# KiCad board imx8x_carrier_v2.kicad_pcb (continued)
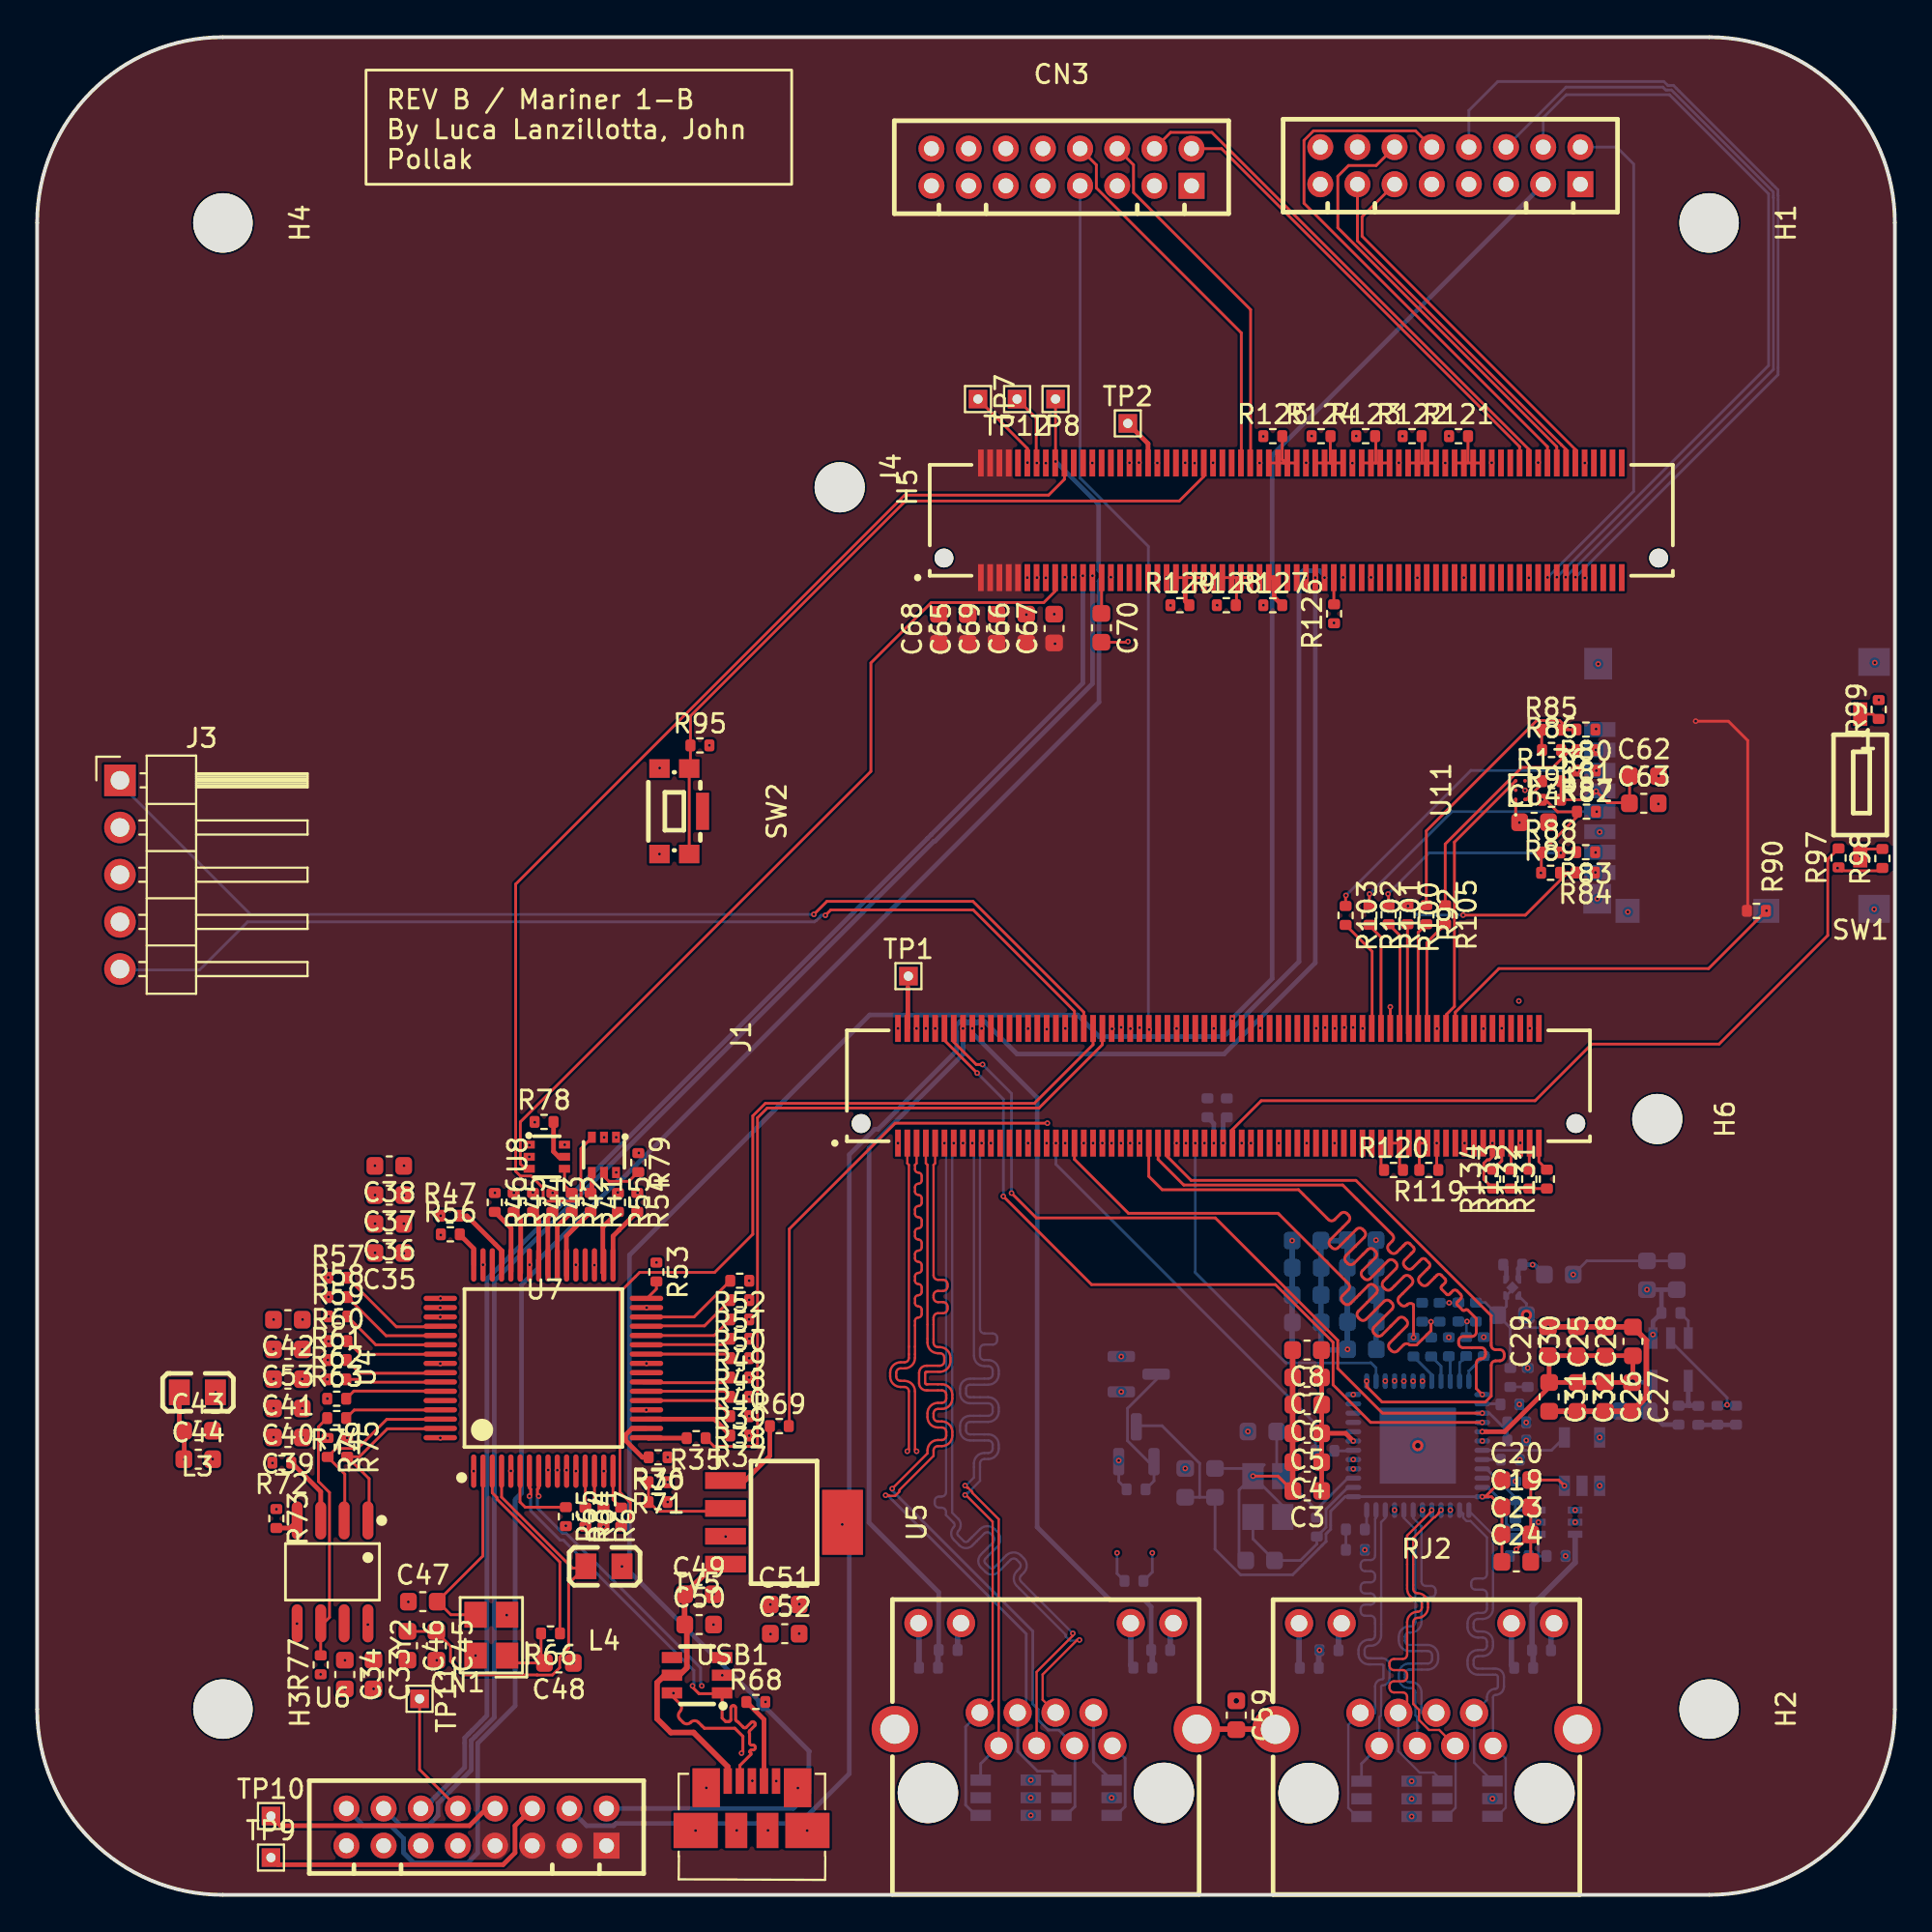
[diagram p0: board, top side]
## Footprints (pads in the part's own frame, mm; a bottom-side part is the same pattern mirrored in y, then rotated)
BGA-6_L1.5-W1.0-P0.50_BD2204GUL-E2
  round 0.2 smd: A1(-0.5,0.25) A2(0,0.25) A3(0.5,0.25) B1(-0.5,-0.25) B2(0,-0.25) B3(0.5,-0.25)
C_0603_1608Metric
  rrect 0.9x0.95 smd: 1(-0.775,0) 2(0.775,0)
CONN-TH_DF11-16DP-2DSA-08
  rect 1.4x1.4 hole 0.8: 1(7,-1)
  round 1.4 hole 0.8: 2(7,1) 3(5,-1) 4(5,1) 5(3,-1) 6(3,1) 7(1,-1) 8(1,1) 9(-1,-1) 10(-1,1) 11(-3,-1) 12(-3,1) 13(-5,-1) 14(-5,1) 15(-7,-1) 16(-7,1)
CRYSTAL-SMD_4P-L3.2-W2.5-BL
  rect 1.4x1.2 smd: 1(-1.1,-0.85) 2(1.1,-0.85) 3(1.1,0.85) 4(-1.1,0.85)
CRYSTAL-SMD_4P-L3.2-W2.5-BL-2
  rect 1.4x1.15 smd: 1(-1.1,-0.8) 2(1.1,-0.8) 3(1.1,0.8) 4(-1.1,0.8)
KEY-SMD_KMR2XXGXXX
  rect 1x1.1 smd: 1(-2.3,0.44) 2(2.3,0.44) 3(-2.3,-1.16) 4(2.3,-1.16)
  rect 2x0.7 smd: 5(0,1.16)
L0805
  rect 1.13x1.38 smd: 1(-0.97,0) 2(0.97,0)
LQFP-64_L10.0-W10.0-P0.50-LS12.0-TL
  oval 1.8x0.28 smd: 1(-5.55,3.75) 2(-5.55,3.25) 3(-5.55,2.75) 4(-5.55,2.25) 5(-5.55,1.75) 6(-5.55,1.25) 7(-5.55,0.75) 8(-5.55,0.25) 9(-5.55,-0.25) 10(-5.55,-0.75) 11(-5.55,-1.25) 12(-5.55,-1.75) 13(-5.55,-2.25) 14(-5.55,-2.75) 15(-5.55,-3.25) 16(-5.55,-3.75) 33(5.55,-3.75) 34(5.55,-3.25) 35(5.55,-2.75) 36(5.55,-2.25) 37(5.55,-1.75) 38(5.55,-1.25) 39(5.55,-0.75) 40(5.55,-0.25) 41(5.55,0.25) 42(5.55,0.75) 43(5.55,1.25) 44(5.55,1.75) 45(5.55,2.25) 46(5.55,2.75) 47(5.55,3.25) 48(5.55,3.75)
  oval 0.28x1.8 smd: 17(-3.75,-5.55) 18(-3.25,-5.55) 19(-2.75,-5.55) 20(-2.25,-5.55) 21(-1.75,-5.55) 22(-1.25,-5.55) 23(-0.75,-5.55) 24(-0.25,-5.55) 25(0.25,-5.55) 26(0.75,-5.55) 27(1.25,-5.55) 28(1.75,-5.55) 29(2.25,-5.55) 30(2.75,-5.55) 31(3.25,-5.55) 32(3.75,-5.55) 49(3.75,5.55) 50(3.25,5.55) 51(2.75,5.55) 52(2.25,5.55) 53(1.75,5.55) 54(1.25,5.55) 55(0.75,5.55) 56(0.25,5.55) 57(-0.25,5.55) 58(-0.75,5.55) 59(-1.25,5.55) 60(-1.75,5.55) 61(-2.25,5.55) 62(-2.75,5.55) 63(-3.25,5.55) 64(-3.75,5.55)
MICRO-USB-SMD_47346-0001
  rect 0.45x1.38 smd: 1(-1.28,1.33) 2(-0.63,1.33) 3(0.02,1.33) 4(0.67,1.33) 5(1.32,1.33)
  rect 2.38x1.9 smd: 6(-3.01,-1.33) 6(3.01,-1.33)
  rect 1.48x2.1 smd: 6(-2.44,0.97) 6(2.48,0.97)
  rect 1.18x1.9 smd: 6(-0.82,-1.33) 6(0.86,-1.33)
MountingHole_2.7mm_M2.5
  round 2.7 hole 2.7 unplated: (0,0)
MountingHole_3.2mm_M3
  round 3.2 hole 3.2 unplated: (0,0)
PinHeader_1x05_P2.54mm_Horizontal
  rect 1.7x1.7 hole 1: 1(0,0)
  oval 1.7x1.7 hole 1: 2(0,-2.54) 3(0,-5.08) 4(0,-7.62) 5(0,-10.16)
R_0402_1005Metric
  rrect 0.54x0.64 smd: 1(-0.51,0) 2(0.51,0)
RJ45-TH_RJHSE5384
  round 3.25 hole 3.25: (-6.35,-5.84) (6.35,-5.84)
  round 1.52 hole 0.89: 1(3.58,-3.3) 2(2.56,-1.52) 3(1.54,-3.3) 4(0.52,-1.52) 5(-0.5,-3.3) 6(-1.52,-1.52) 7(-2.54,-3.3) 8(-3.56,-1.52) 9(6.86,3.3) 10(4.57,3.3) 11(-4.57,3.3) 12(-6.86,3.3)
  round 2.5 hole 1.57: 13(-8.13,-2.41) 14(8.13,-2.41)
SAMTEC_BTH-070-02-L-D-A
  round 1.016 hole 1.016 unplated: (-1.986,-4.946) (36.486,-4.946)
  rect 0.305x1.45 smd: 01(34.5,0.172) 02(34.5,-6) 03(34,0.172) 04(34,-6) 05(33.5,0.172) 06(33.5,-6) 07(33,0.172) 08(33,-6) 09(32.5,0.172) 10(32.5,-6) 11(32,0.172) 12(32,-6) 13(31.5,0.172) 14(31.5,-6) 15(31,0.172) 16(31,-6) 17(30.5,0.172) 18(30.5,-6) 19(30,0.172) 20(30,-6) 21(29.5,0.172) 22(29.5,-6) 23(29,0.172) 24(29,-6) 25(28.5,0.172) 26(28.5,-6) 27(28,0.172) 28(28,-6) 29(27.5,0.172) 30(27.5,-6) 31(27,0.172) 32(27,-6) 33(26.5,0.172) 34(26.5,-6) 35(26,0.172) 36(26,-6) 37(25.5,0.172) 38(25.5,-6) 39(25,0.172) 40(25,-6) 41(24.5,0.172) 42(24.5,-6) 43(24,0.172) 44(24,-6) 45(23.5,0.172) 46(23.5,-6) 47(23,0.172) 48(23,-6) 49(22.5,0.172) 50(22.5,-6) 51(22,0.172) 52(22,-6) 53(21.5,0.172) 54(21.5,-6) 55(21,0.172) 56(21,-6) 57(20.5,0.172) 58(20.5,-6) 59(20,0.172) 60(20,-6) 61(19.5,0.172) 62(19.5,-6) 63(19,0.172) 64(19,-6) 65(18.5,0.172) 66(18.5,-6) 67(18,0.172) 68(18,-6) 69(17.5,0.172) 70(17.5,-6) 71(17,0.172) 72(17,-6) 73(16.5,0.172) 74(16.5,-6) 75(16,0.172) 76(16,-6) 77(15.5,0.172) 78(15.5,-6) 79(15,0.172) 80(15,-6) 81(14.5,0.172) 82(14.5,-6) 83(14,0.172) 84(14,-6) 85(13.5,0.172) 86(13.5,-6) 87(13,0.172) 88(13,-6) 89(12.5,0.172) 90(12.5,-6) 91(12,0.172) 92(12,-6) 93(11.5,0.172) 94(11.5,-6) 95(11,0.172) 96(11,-6) 97(10.5,0.172) 98(10.5,-6) 99(10,0.172) 100(10,-6) 101(9.5,0.172) 102(9.5,-6) 103(9,0.172) 104(9,-6) 105(8.5,0.172) 106(8.5,-6) 107(8,0.172) 108(8,-6) 109(7.5,0.172) 110(7.5,-6) 111(7,0.172) 112(7,-6) 113(6.5,0.172) 114(6.5,-6) 115(6,0.172) 116(6,-6) 117(5.5,0.172) 118(5.5,-6) 119(5,0.172) 120(5,-6) 121(4.5,0.172) 122(4.5,-6) 123(4,0.172) 124(4,-6) 125(3.5,0.172) 126(3.5,-6) 127(3,0.172) 128(3,-6) 129(2.5,0.172) 130(2.5,-6) 131(2,0.172) 132(2,-6) 133(1.5,0.172) 134(1.5,-6) 135(1,0.172) 136(1,-6) 137(0.5,0.172) 138(0.5,-6) 139(0,0.172) 140(0,-6)
SC-70-6_L2.0-W1.3-P0.65-LS2.1-BR
  rect 0.6x0.42 smd: 1(0.95,-0.65) 2(0.95,0) 3(0.95,0.65) 4(-0.95,0.65) 5(-0.95,0) 6(-0.95,-0.65)
SOIC-8_L4.9-W3.9-P1.27-LS6.0-BL
  oval 0.59x2.05 smd: 1(-1.91,-2.77) 2(-0.63,-2.77) 3(0.63,-2.77) 4(1.9,-2.77) 5(1.9,2.77) 6(0.63,2.77) 7(-0.63,2.77) 8(-1.91,2.77)
SOT-23
  rrect 1.475x0.6 smd: 1(-0.938,0.95) 2(-0.938,-0.95) 3(0.938,0)
SOT-23-5_L3.0-W1.7-P0.95-LS2.8-BL
  rect 0.49x1.16 smd: 1(-0.95,-1.15) 2(0,-1.15) 3(0.95,-1.15)
  rect 0.49x1.18 smd: 4(0.95,1.15) 5(-0.95,1.15)
SOT-23-5_L3.0-W1.7-P0.95-LS2.8-BR
  rect 1.1x0.6 smd: 1(1.3,-0.95) 2(1.3,0) 3(1.3,0.95) 4(-1.3,0.95) 5(-1.3,-0.95)
SOT-23-6_L2.9-W1.6-P0.95-LS2.8-BR
  rect 1.1x0.6 smd: 1(1.35,-0.95) 2(1.35,0) 3(1.35,0.95) 4(-1.35,0.95) 5(-1.35,0) 6(-1.35,-0.95)
SOT-223-5_L6.5-W3.5-P1.50-LS7.0-BL
  rect 0.9x2.2 smd: 1(-2.25,-3.15) 2(-0.75,-3.15) 3(0.75,-3.15) 4(2.25,-3.15)
  rect 3.5x2.2 smd: 5(0,3.15)
SOT-363_L2.1-W1.3-P0.65-LS2.2-BL
  rect 0.38x0.78 smd: 1(-0.65,-0.99) 2(0,-0.99) 3(0.65,-0.99) 4(0.65,0.99) 5(0,0.99) 6(-0.65,0.99)
SW-SMD_1.27-1P-TPPT
  rect 0.76x1.27 smd: 1(0,-3.81) 2(0,3.81)
TestPoint_THTPad_1.0x1.0mm_Drill0.5mm
  rect 1x1 hole 0.5: 1(0,0)
TF-SMD_5027740891
  rect 0.8x1.68 smd: 1(3.06,-7.31) 2(1.96,-7.31) 3(0.86,-7.31) 4(-0.24,-7.31) 5(-1.34,-7.31) 6(-2.44,-7.31) 7(-3.54,-7.31) 8(-4.64,-7.31)
  rect 1.29x1.4 smd: 9(-6.7,1.65)
  rect 1.29x1.3 smd: 10(-6.7,-5.82)
  rect 1.6x1.5 smd: 11(-6.05,-7.45)
  rect 1.7x1.5 smd: 12(6.61,-7.4)
  rect 1.5x1.7 smd: 13(6.7,7.45) 14(-6.59,7.45)
VQFN-48_L7.0-W7.0-P0.50-BL-EP4.1
  oval 0.28x0.85 smd: 1(-2.75,-3.47) 2(-2.25,-3.47) 3(-1.75,-3.47) 4(-1.25,-3.47) 5(-0.75,-3.47) 6(-0.25,-3.47) 7(0.25,-3.47) 8(0.75,-3.47) 9(1.25,-3.47) 10(1.75,-3.47) 11(2.25,-3.47) 12(2.75,-3.47) 25(2.75,3.47) 26(2.25,3.47) 27(1.75,3.47) 28(1.25,3.47) 29(0.75,3.47) 30(0.25,3.47) 31(-0.25,3.47) 32(-0.75,3.47) 33(-1.25,3.47) 34(-1.75,3.47) 35(-2.25,3.47) 36(-2.75,3.47)
  oval 0.85x0.28 smd: 13(3.47,-2.75) 14(3.47,-2.25) 15(3.47,-1.75) 16(3.47,-1.25) 17(3.47,-0.75) 18(3.47,-0.25) 19(3.47,0.25) 20(3.47,0.75) 21(3.47,1.25) 22(3.47,1.75) 23(3.47,2.25) 24(3.47,2.75) 37(-3.47,2.75) 38(-3.47,2.25) 39(-3.47,1.75) 40(-3.47,1.25) 41(-3.47,0.75) 42(-3.47,0.25) 43(-3.47,-0.25) 44(-3.47,-0.75) 45(-3.47,-1.25) 46(-3.47,-1.75) 47(-3.47,-2.25) 48(-3.47,-2.75)
  rect 4.1x4.1 smd: 49(0,0)
X2SON-4_L1.0-W1.0-P0.65-TL-EP
  custom 0.46x0.32 smd: 1(-0.43,0.32) 2(-0.43,-0.32) 3(0.43,-0.32) 4(0.43,0.32)
  rect 0.48x0.48 smd rot 135: 5(0,0)

## Nets
1V8_FTDI: C35.1 C36.1 C37.1 C38.1 U4.12 U4.37 U4.49 U4.64
3V3_FTDI: C33.1 C34.1 C39.1 C40.1 C41.1 C42.1 C51.1 C52.1 C53.1 L3.1 L4.1 R63.1 R67.2 R71.1 R75.1 R76.1 R77.1 U4.20 U4.31 U4.42 U4.50 U4.56 U5.3 U6.8
GND: C1.1 C2.1 C3.2 C4.2 C5.2 C6.2 C7.2 C8.2 C9.2 C10.2 C11.2 C12.2 C13.2 C14.2 C15.2 C16.2 C17.2 C18.2 C19.2 C20.2 C21.2 C22.2 C23.2 C24.2 C25.2 C26.2 C27.2 C28.2 C29.2 C30.2 C31.2 C32.2 C33.2 C34.2 C35.2 C36.2 C37.2 C38.2 C39.2 C40.2 C41.2 C42.2 C43.2 C44.2 C45.2 C46.2 C47.1 C48.1 C49.2 C50.2 C51.2 C52.2 C53.2 C54.2 C55.2 C56.2 C57.2 C58.2 C59.1 C62.2 C63.2 C64.2 C65.2 C66.2 C67.2 C68.2 C69.2 C70.2 Card1.6 Card1.10 Card1.11 Card1.12 Card1.13 Card1.14 CN1.9 CN1.11 CN1.13 CN1.15 CN2.14 CN2.15 CN2.16 CN3.14 CN3.15 CN3.16 J1.03 J1.06 J1.09 J1.12 J1.13 J1.18 J1.23 J1.24 J1.30 J1.36 J1.39 J1.40 J1.46 J1.49 J1.52 J1.58 J1.61 J1.64 J1.71 J1.74 J1.79 J1.80 J1.89 J1.90 J1.100 J1.103 J1.108 J1.111 J1.120 J1.121 J1.126 J1.131 J1.139 J1.140 J3.2 J3.3 J3.4 J4.09 J4.10 J4.19 J4.22 J4.29 J4.36 J4.39 J4.46 J4.49 J4.56 J4.59 J4.62 J4.69 J4.70 J4.79 J4.80 J4.89 J4.90 J4.95 J4.100 J4.107 J4.112 J4.115 J4.120 J4.125 J4.130 Q2.2 R12.2 R15.2 R16.2 R17.2 R20.2 R21.2 R24.2 R25.2 R36.1 R37.1 R38.1 R39.1 R40.1 R43.1 R44.1 R45.1 R46.1 R47.1 R48.1 R49.1 R50.1 R51.1 R52.1 R53.1 R54.1 R55.1 R56.1 R57.1 R58.1 R59.1 R60.1 R61.1 R62.1 R64.2 R65.2 R68.2 R70.2 R73.1 R94.2 R96.2 R99.2 R119.1 R120.1 R121.1 R122.1 R123.1 R124.1 R125.1 R126.1 R127.1 R128.1 R129.1 R131.1 R132.1 R133.1 R134.1 R137.1 R138.1 SW2.3 SW2.4 TV1.2 TV2.2 TV3.2 TV4.2 TV5.2 U1.49 U2.3 U3.2 U4.1 U4.5 U4.10 U4.11 U4.15 U4.25 U4.35 U4.47 U4.51 U5.5 U6.5 U7.2 U8.2 U9.2 U9.5 U10.2 U11.B2 USB1.5 USB1.6 Y1.2 Y1.4 Y2.2 Y2.4
GNDPWR: C59.2 RJ1.13 RJ1.14 RJ2.13 RJ2.14
VBUS_DEBUG_USB: C49.1 C50.1 TV5.5 U5.4 USB1.1
VCC_1V8_OUT: C54.1 J4.127 R11.1 R14.1 R18.1 R19.1 R22.1 R23.1 R78.1 R79.1 R114.1 TP12.1 U2.5 U3.5 U7.1 U8.1 U9.4
VCC_3V3: C65.1 C66.1 C67.1 C68.1 C69.1 CN1.1 CN1.3 CN1.5 CN1.7 J4.132 J4.133 J4.134 J4.135 J4.136 J4.137 J4.138 J4.139 J4.140 R90.1
VCC_3V3_OUT: C57.1 C58.1 C64.1 J4.129 R8.2 R26.1 R27.1 R30.1 R33.1 R72.2 R95.2 R117.1 RJ1.10 RJ1.12 RJ2.10 RJ2.12 TP7.1 U7.6 U8.6 U10.1 U11.A1
VCC_ENET_2V5: C3.1 C4.1 C5.1 C6.1 C7.1 C8.1 C25.1 C26.1 C27.1 C28.1 C29.1 C30.1 C31.1 C32.1 C56.1 Q2.1 R15.1 R116.1 U1.3 U1.9 U1.19 U1.30 U1.41 U10.5
VCC_LDO_SD1: J1.33 R85.1 R86.1 R87.1 R88.1 R89.1 R91.1
VCC_QSPI_1V8: J4.20
VCC_SCU_1V8: J4.93 R97.1 R98.1
VDD_ADC_1V8: C70.1 J4.114
VDD_ETH_1V0: C9.1 C10.1 C11.1 C12.1 C13.1 C14.1 C15.1 C16.1 C17.1 C18.1 C55.1 Q1.2 R13.1 U1.6 U1.24 U1.31 U1.42 U9.1
/Debug USB - UART/DEBUG_USB_DN: TV5.1 U4.7 USB1.2
/Debug USB - UART/DEBUG_USB_DP: TV5.6 U4.8 USB1.3
/Debug USB - UART/DEBUG_USB_ID: R68.1 USB1.4
/Debug USB - UART/FTDI_OSCI: C47.2 U4.2 Y2.3
/Debug USB - UART/FTDI_OSCO: C48.2 R66.2 Y2.1
/Debug USB - UART/M40_UART0_RX: R41.1 U8.4
/Debug USB - UART/M40_UART0_TX: R42.1 U7.4
ETH1_A_TX_N: RJ2.2 TV3.1 U1.2
ETH1_A_TX_P: RJ2.1 TV3.3 U1.1
ETH1_B_TX_N: RJ2.6 TV3.6 U1.5
ETH1_B_TX_P: RJ2.3 TV3.4 U1.4
ETH1_C_TXCLK_N: RJ2.5 TV4.3 U1.8
ETH1_C_TXCLK_P: RJ2.4 TV4.1 U1.7
ETH1_D_RXDV_N: RJ2.8 TV4.4 U1.11
ETH1_D_RXDV_P: RJ2.7 TV4.6 U1.10
ETH1_LED0: R32.1 R33.2 U3.6
ETH1_LED1: R30.2 R31.2 U3.4
LED0_LINK: R23.2 R25.1 U1.47 U3.1
LED2_ACT: R22.2 R24.1 U1.45 U3.3
SD1_SPWR: R136.1 U11.B1
X_ADMA_I2C0_SCL: CN1.2 J4.66
X_ADMA_I2C0_SDA: CN1.4 J4.68
X_ADMA_I2C3_SCL: CN3.10 J1.112
X_ADMA_I2C3_SDA: CN3.12 J1.107
X_ADMA_SPI2_CS0: CN2.1 J1.41
X_ADMA_SPI2_CS1: CN2.3 J1.67
X_ADMA_SPI2_SCK: CN2.5 J1.43
X_ADMA_SPI2_SDI: CN2.7 J1.45
X_ADMA_SPI2_SDO: CN2.9 J1.47
X_ADMA_UART0_RX: J1.97 R34.1
X_ADMA_UART0_TX: J1.95 R35.1
X_ADMA_UART2_RX: J1.99 J3.1
X_ADMA_UART2_TX: J1.101 J3.5
X_BOOT_MODE0: J1.66 R98.2 SW1.2
X_BOOT_MODE1: J1.68 R97.2
X_BOOT_MODE2: J1.70 R94.1
X_BOOT_MODE3: J1.72 R96.1
X_CONN_ENET1_REFCLK: J1.106 R7.1
X_CONN_ENET1_RX_CTL: J1.104 R5.2
X_CONN_ENET1_RX_CTRL: R14.2 R16.1
X_CONN_ENET1_RXC: J1.86 R6.2
X_CONN_ENET1_RXD0: J1.102 R1.2 R19.2 R21.1
X_CONN_ENET1_RXD1: J1.94 R2.2
X_CONN_ENET1_RXD2: J1.92 R3.2 R18.2 R20.1
X_CONN_ENET1_RXD3: J1.88 R4.2
X_CONN_ENET1_TX_CTL: J1.84 U1.37
X_CONN_ENET1_TXC: J1.78 U1.29
X_CONN_ENET1_TXD0: J1.96 U1.28
X_CONN_ENET1_TXD1: J1.98 U1.27
X_CONN_ENET1_TXD2: J1.76 U1.26
X_CONN_ENET1_TXD3: J1.82 U1.25
X_CONN_ETH0_MDC: J1.135 U1.16
X_CONN_ETH0_MDIO: J1.133 U1.17
X_CONN_ETH1_PHY_INT: R8.1 U1.44
X_CONN_USDHC1_CD_B: Card1.9 J1.19 R90.2
X_CONN_USDHC1_CLK: Card1.5 R87.2 R102.1
X_CONN_USDHC1_CMD: R82.2 R103.1
X_CONN_USDHC1_DATA0: R83.2 R88.2 R101.1
X_CONN_USDHC1_DATA1: R84.2 R89.2 R100.1
X_CONN_USDHC1_DATA2: R80.2 R85.2 R92.1
X_CONN_USDHC1_DATA3: R81.2 R86.2 R105.1
X_CONN_USDHC1_RESET_B: J1.21 U11.A3
X_CONN_USDHC1_VSELECT: J1.15
X_ETH0_A_TX_N: J1.136 RJ1.2 TV1.1
X_ETH0_A_TX_P: J1.138 RJ1.1 TV1.3
X_ETH0_B_TX_N: J1.132 RJ1.6 TV1.6
X_ETH0_B_TX_P: J1.134 RJ1.3 TV1.4
X_ETH0_C_TXCLK_N: J1.128 RJ1.5 TV2.3
X_ETH0_C_TXCLK_P: J1.130 RJ1.4 TV2.1
X_ETH0_D_RXDV_N: J1.122 RJ1.8 TV2.4
X_ETH0_D_RXDV_P: J1.124 RJ1.7 TV2.6
X_ETH0_INT: J1.137 TP1.1
X_ETH0_LED0: J1.123 R27.2 R29.1
X_ETH0_LED1: J1.125 R26.2 R28.2
X_ETH_GPIO0: J1.127 R11.2 R12.1 U1.39
X_ETH_GPIO1: J1.129 U1.40
X_LSIO_GPIO1_IO09: CN1.14 J4.116
X_LSIO_GPIO1_IO10: CN1.12 J4.118
X_LSIO_GPIO1_IO12: CN3.1 J4.126
X_LSIO_GPIO1_IO13: CN3.3 J4.128
X_LSIO_GPIO1_IO14: CN3.5 J4.122
X_LSIO_GPIO1_IO25: CN3.2 J4.23
X_LSIO_GPIO1_IO26: CN3.4 J4.21
X_LSIO_GPIO1_IO29: CN3.6 J4.81
X_LSIO_GPIO1_IO30: CN3.8 J4.83
X_LSIO_QSPI0B_DATA0: CN2.8 J4.12
X_LSIO_QSPI0B_DATA1: CN2.6 J4.14
X_LSIO_QSPI0B_DATA2: CN2.4 J4.16
X_LSIO_QSPI0B_DATA3: CN2.2 J4.18
X_LSIO_QSPI0B_DQS: CN2.10 J4.17
X_LSIO_QSPI0B_SCLK: CN2.12 J4.15
X_LSIO_QSPIOB_SS0_B: CN2.11 J4.11
X_LSIO_QSPIOB_SS1_B: CN2.13 J4.13
X_LSO_GPIO1_IO17: CN3.7 J1.85
X_LSO_GPIO1_IO18: CN3.9 J1.87
X_LSO_GPIO1_IO19: CN3.11 J1.93
X_LSO_GPIO1_IO20: CN3.13 J1.91
X_M40_UART0_RX: J4.121 U8.3
X_M40_UART0_TX: J4.124 U7.3
X_PGOOD: J4.105 R69.2
X_PMIC_EWARN: J4.109
X_PMIC_INT_B: J4.117
X_PMIC_WDI: J4.119
X_POR_B_1V8: J4.101 U2.1
X_POR_B_3V3: J4.103 TP2.1
X_SCU_PMIC_ON_REQ: J4.111
X_SCU_PMIC_STANDBY: J4.113
X_SCU_WDOG0_WDOG_OUT: CN1.16 J4.123 TP8.1
~{X_nRESET_IN}: J4.91 R95.1 SW2.1 SW2.2
Net-(Card1-CD/DAT3): Card1.2 R81.1
Net-(Card1-CMD): Card1.3 R82.1
Net-(Card1-DAT0): Card1.7 R83.1
Net-(Card1-DAT1): Card1.8 R84.1
Net-(Card1-DAT2): Card1.1 R80.1
Net-(Card1-VDD): C62.1 C63.1 Card1.4 R91.2 R136.2
Net-(CN1-Pad6): CN1.6 TP9.1
Net-(CN1-Pad8): CN1.8 TP10.1
Net-(CN1-Pad10): CN1.10 TP11.1
Net-(J1-A13): J1.25 R105.2
Net-(J1-A14): J1.27 R92.2
Net-(J1-A15): J1.29 R100.2
Net-(J1-A16): J1.31 R101.2
Net-(J1-A18): J1.35 R102.2
Net-(J1-A19): J1.37 R103.2
Net-(J1-B1): J1.02 R131.2
Net-(J1-B2): J1.04 R132.2
Net-(J1-B4): J1.08 R133.2
Net-(J1-B5): J1.10 R134.2
Net-(J1-B13): J1.26 J1.28 R119.2
Net-(J1-B16): J1.32 J1.34 R120.2
Net-(J4-C16): J4.31 J4.33 J4.35 J4.37 R121.2
Net-(J4-C21): J4.41 J4.43 J4.45 J4.47 R122.2
Net-(J4-C26): J4.51 J4.53 J4.55 J4.57 R123.2
Net-(J4-C31): J4.61 J4.63 J4.65 J4.67 R124.2
Net-(J4-C36): J4.71 J4.73 J4.75 J4.77 R125.2
Net-(J4-D32): J4.64 R126.2
Net-(J4-D38): J4.76 J4.78 R127.2
Net-(J4-D41): J4.82 J4.84 J4.86 J4.88 R128.2
Net-(J4-D46): J4.92 J4.94 J4.96 J4.98 R129.2
Net-(Q1-D): C19.1 C20.1 C21.1 C22.1 C23.1 C24.1 Q1.3 U1.13 U1.48
Net-(Q1-G): Q1.1 Q2.3 R13.2
Net-(R10-Pad2): R10.2 R17.1
Net-(R99-Pad1): R99.1 SW1.1
Net-(R115-Pad1): R115.1 R137.2 R138.2
Net-(RJ1-L-): R29.2 RJ1.9
Net-(RJ1-R-): R28.1 RJ1.11
Net-(RJ2-L-): R32.2 RJ2.9
Net-(RJ2-R-): R31.1 RJ2.11
Net-(U1-CLK_OUT): R7.2 U1.18
Net-(U1-RBIAS): R10.1 U1.12
Net-(U1-RESET_N): U1.43 U2.4
Net-(U1-RX_CLK): R6.1 U1.32
Net-(U1-RX_CTRL): R5.1 U1.38
Net-(U1-RX_D0): R1.1 U1.33
Net-(U1-RX_D1): R2.1 U1.34
Net-(U1-RX_D2): R3.1 U1.35
Net-(U1-RX_D3): R4.1 U1.36
Net-(U1-X_I): C1.2 R9.1 U1.15 Y1.1
Net-(U1-X_O): C2.2 R9.2 U1.14 Y1.3
Net-(U4-ACBUS0): R48.2 U4.26
Net-(U4-ACBUS1): R49.2 U4.27
Net-(U4-ACBUS2): R50.2 U4.28
Net-(U4-ACBUS3): R51.2 U4.29
Net-(U4-ACBUS4): R52.2 U4.30
Net-(U4-ACBUS5): R53.2 U4.32
Net-(U4-ACBUS6): R54.2 U4.33
Net-(U4-ACBUS7): R55.2 U4.34
Net-(U4-ADBUS0): R34.2 U4.16
Net-(U4-ADBUS1): R35.2 U4.17
Net-(U4-ADBUS2): R36.2 U4.18
Net-(U4-ADBUS3): R37.2 U4.19
Net-(U4-ADBUS4): R38.2 U4.21
Net-(U4-ADBUS5): R39.2 U4.22
Net-(U4-ADBUS6): R40.2 U4.23
Net-(U4-BCBUS0): R56.2 U4.48
Net-(U4-BCBUS1): R57.2 U4.52
Net-(U4-BCBUS2): R58.2 U4.53
Net-(U4-BCBUS3): R59.2 U4.54
Net-(U4-BCBUS4): R60.2 U4.55
Net-(U4-BCBUS5): R61.2 U4.57
Net-(U4-BCBUS6): R62.2 U4.58
Net-(U4-BCBUS7): R63.2 U4.59
Net-(U4-BDBUS0): R41.2 U4.38
Net-(U4-BDBUS1): R42.2 U4.39
Net-(U4-BDBUS2): R43.2 U4.40
Net-(U4-BDBUS3): R44.2 U4.41
Net-(U4-BDBUS4): R45.2 U4.43
Net-(U4-BDBUS5): R46.2 U4.44
Net-(U4-BDBUS6): R47.2 U4.45
Net-(U4-EECLK): R76.2 U4.62 U6.2
Net-(U4-EECS): R75.2 U4.63 U6.1
Net-(U4-EEDATA): R74.1 U4.61
Net-(U4-OSCO): R66.1 U4.3
Net-(U4-REF): R65.1 U4.6
Net-(U4-TEST): R64.1 U4.13
Net-(U4-VPHY): C45.1 C46.1 L4.2 U4.4
Net-(U4-VPLL): C43.1 C44.1 L3.2 U4.9
Net-(U4-~{RESET}): R67.1 U4.14
Net-(U5-ADJ): R70.1 R71.2 U5.2
Net-(U5-EN): R69.1 U5.1
Net-(U6-DI): R72.1 U6.3
Net-(U6-DO): R73.2 U6.4
Net-(U6-ORG): R74.2 R77.2 U6.6
Net-(U7-OE): R78.2 U7.5
Net-(U8-OE): R79.2 U8.5
Net-(U9-EN): R114.2 U9.3
Net-(U10-ADJ): R115.2 R116.2 U10.4
Net-(U10-EN): R117.2 U10.3

Pads without a net: J1 01 05 07 11 14 16 17 20 22 38 42 44 48 50 51 53 54 55 56 57 59 60 62 63 65 69 73 75 77 81 83 105 109 110 113 114 115 116 117 118 119; J4 01 02 03 04 05 06 07 08 24 25 26 27 28 30 32 34 38 40 42 44 48 50 52 54 58 60 72 74 85 87 97 99 102 104 106 108 110 131; SW2 5; TV1 5; TV2 5; TV3 5; TV4 5; TV5 3 4; U1 20 21 22 23 46; U2 2; U4 24 36 46 60; U6 7; U11 A2 B3

## Via types
v1: diameter 0.3, hole 0.15, SIG1 to SIG3, 367 vias
v2: diameter 0.6, hole 0.3, SIG1 to SIG3, 4 vias

## Routing (per net, layer and track width the routed paths; a pad name or vN(x,y) marks a point on that pad's centre or on a via; arc(x,y) is an arc through that point)
1V8_FTDI: length 34.6
  PWR w0.3: v1(19.74,34.54) 20.27,35.06 27.82,35.06 28.97,33.92 ; 21.72,32.12 19.74,34.1 19.74,34.53 19.75,34.54 v1(19.75,39.25) ; v1(21.7,24.6) 27.69,24.6 29,23.29 v1(29,22.81) ; v1(21.71,32.11) 21.54,32.11 21.22,31.8 21.22,29.75 22.18,28.8 22.18,25.06 21.7,24.59
  vias: v1(19.75,37.66) v1(19.74,36.13) v1(29,33.92)
3V3_FTDI: length 94.3
  PWR w0.3: v1(15.62,26.71) 15.1,26.19 14.26,26.19 ; 15.62,26.72 17.5,28.6 v1(21.7,28.6) 21.22,28.12 21.22,24.4 25.28,20.34 29.97,20.34 30.5,19.82 ; 31.54,19.82 34.42,22.69 34.42,24.47 32.79,26.1 33.28,26.58 33.28,31.13 32.81,31.6 28.83,31.6 v1(26.51,33.92) 24.19,31.6 21.67,31.6 ; 31.54,19.82 v1(30.49,19.82) ; 31.54,19.82 31.54,17.74 v1(31.48,17.68) ; 16.69,24.59 15.65,24.59 15.64,24.6 14.29,24.6 v1(14.29,30.97) ; v1(16.69,24.6) 16.69,15.66 v1(17.8,14.55) ; v1(15.26,11.87) 15.84,11.87 16.58,12.61 18.1,12.61 18.11,12.62 18.11,14.23 17.83,14.51 ; v1(33.94,22.22) 36.87,19.29 37.08,19.29 39.48,16.89 39.48,14.05 39.49,14.04 ; v1(9.61,27.05) 13.57,27.05 14.27,27.75
  vias: v1(14.27,29.36) v1(14.27,27.77) v1(14.27,26.19) v1(14.28,24.62) v1(15.64,24.58) v1(16.57,12.63) v1(18.11,12.64) v1(21.7,31.6) v1(32.79,26.11) v1(32.81,31.61) v1(37.06,19.29) v1(39.47,15.63) v1(39.48,14.04)
GND: length 87.1
  SIG1 w0.15: C70.2 58.68,67.43 v1(58.72,67.47) ; v1(79.62,18.6) 80.22,19.2 80.22,19.22 C23.2 ; v1(78.34,40.47) 78.34,39.74 78.17,39.57 78.06,39.57 77.87,39.38 77.87,38.51 R134.1 R131.1 ; v1(82.21,22.02) 81.9,22.33 C20.2 C23.2 ; v1(75.34,40.47) 75.34,39.1 R119.1 ; C3.2 66.79,22.54 v1(65.45,22.54) ; R120.1 72.34,39.18 v1(72.34,40.47) ; C24.2 C23.2
  SIG1 w0.3: C8.2 67.58,21.75 C3.2 ; C31.2 85.84,26.03 C27.2 86.63,26.8 86.63,29.84 C28.2 85.89,30.58 v1(81.33,30.58)
  SIG3 w0.15: 90.97,26.33 R138.1 ; 90.97,26.33 v1(90.97,26.38) 90.97,26.76 87.93,29.8 U10.2 ; 90.97,26.33 R137.1 ; R16.2 79.3,30.53 ; 79.3,30.53 C55.2 ; 79.3,30.53 81.28,30.53 v1(81.33,30.58) ; C55.2 77.95,31.88 R20.2 ; C55.2 79.09,31.68 U9.2 79.41,32.58 U9.5 ; C57.2 C58.2 83.42,34.13 v1(82.68,33.39) ; v1(65.45,22.54) 67.05,20.94 Y1.2 ; v1(65.45,22.54) 65.04,22.95 C21.2 ; v1(65.45,22.54) 64.7,21.79 64.7,18.36 C2.1 ; v1(65.45,22.54) 66.06,23.15 ; v1(79.62,18.6) 79.27,18.25 R25.2 ; v1(58.13,18.41) 58.13,17.3 R15.2
  SIG3 w0.3: v1(72.07,35.24) 72.07,29.38 C15.2 ; v1(67.55,35.22) 67.55,29.35 C16.2
  vias: v1(9.45,24.97) v1(9.45,23.46) v1(12.73,30.97) v1(12.72,29.38) v1(12.73,27.77) v1(12.73,26.19) v1(12.73,24.63) v1(12.88,20.76) v1(13.99,14.6) v1(15.67,33.24) v1(15.68,32.19) v1(15.69,31.14) v1(15.68,29.8) v1(15.65,28.79) v1(15.62,27.75) v1(16.56,11.09) v1(18.18,39.25) v1(18.19,37.67) v1(18.19,36.13) v1(18.19,34.56) v1(18.11,11.09) v1(19.98,15.77) v1(19.94,12.65) v1(21.51,12.63) v1(21.7,31.11) v1(21.72,36.56) v1(21.73,35.52) v1(23.5,22.81) v1(23.6,12.88) v1(24,33.92) v1(24.64,37.79) v1(25.28,15.06) v1(25.5,22.82) v1(25.66,37.79) v1(26.49,39.73) v1(26.69,37.81) v1(27.75,37.79) v1(28,22.86) v1(28.5,22.86) v1(28.46,19.87) v1(28.87,12.49) v1(29.51,19.82) v1(30,33.9) v1(30.5,22.81) v1(30.52,40.78) v1(31.26,37.81) v1(32.32,37.79) v1(32.8,28.61) v1(33.34,34.04) v1(33.51,60.66) v1(33.5,56.03) v1(33.94,23.56) v1(33.94,21.15) v1(35.44,3.46) v1(36.02,5.76) v1(36.41,16.19) v1(36.41,14.55) v1(36.88,11.82) v1(37.66,3.47) v1(38.33,33.06) v1(38.33,32.03) v1(38.32,30.98) v1(38.34,29.94) v1(38.33,28.89) v1(38.33,27.85) v1(38.33,26.81) v1(38.33,25.77) v1(38.33,24.72) v1(39.21,10.39) v1(39.34,3.47) v1(39.79,6.13) v1(40.95,5.75) v1(41.03,15.65) v1(41.02,14.06) v1(41.45,3.46) v1(43.34,19.94) v1(46.34,46.64) v1(46.34,40.47) v1(48.34,46.64) v1(48.55,68.91) v1(49.84,40.47) v1(50.1,68.91) v1(50.84,46.64) v1(51.34,40.47) v1(51.66,68.9) v1(53.3,70.91) v1(53.25,68.92) v1(53.34,46.63) v1(53.49,5.23) v1(54.3,77.07) v1(54.34,40.47) v1(54.75,68.94) v1(55.35,46.64) v1(55.8,70.92) v1(56.34,40.47) v1(56.8,77.08) v1(57.8,70.93) v1(57.84,5.23) v1(58.36,28.98) v1(58.8,77.09) v1(58.85,46.63) v1(58.84,40.47) v1(60.8,70.92) v1(61.01,69.41) v1(61.34,46.64) v1(61.34,40.47) v1(61.8,77.09) v1(61.8,22.95) v1(62.84,40.47) v1(63.3,77.09) v1(63.3,70.89) v1(63.34,46.64) v1(63.52,69.42) v1(65.18,24.94) v1(65.34,40.47) v1(65.8,70.88) v1(65.81,77.08) v1(65.84,46.66) v1(66,78.51) v1(66.01,69.42) v1(66.84,40.47) v1(68.3,70.9) v1(68.31,77.09) v1(68.34,40.47) v1(68.61,78.53) v1(68.85,46.65) v1(69.81,68.47) v1(69.84,40.47) v1(70.3,70.92) v1(70.8,77.07) v1(71.01,78.53) v1(71.35,46.64) v1(71.34,40.47) v1(71.47,18.57) v1(71.8,70.92) v1(73.3,77.09) v1(73.5,78.52) v1(73.84,40.47) v1(73.99,5.17) v1(74.3,70.9) v1(75.35,46.63) v1(75.8,77.08) v1(76,78.53) v1(76.8,70.91) v1(76.84,40.47) v1(77.85,46.63) v1(78.3,77.09) v1(78.34,5.18) v1(78.84,46.65) v1(79.76,48.12) v1(79.84,40.48) v1(80.09,59.46) v1(80.16,24.46) v1(80.3,70.9) v1(80.35,46.65) v1(80.8,77.1) v1(80.81,20.06) v1(81.37,57.73) v1(83.31,77.08) v1(83.31,70.89) v1(83.98,53.62) v1(84.03,66.26) v1(84.11,57.21) v1(85.63,52.91) v1(87.29,60.23) v1(87.27,58.73) v1(98.89,53.06) v1(98.92,66.33) v1(99.14,64.33) v2(64.55,10.44) v2(74.32,24.18)
GNDPWR: length 7.6
  SIG1 w0.3: 66.64,8.89 RJ2.13 ; 62.45,8.89 RJ1.14 66.65,8.92
  GND2 w1: 66.06,8.31 RJ2.13 ; 63.03,8.32 RJ1.14 ; RJ1.13 45.57,8.32 ; RJ2.14 83.52,8.31
VBUS_DEBUG_USB: length 16.5
  SIG1 w0.3: TV5.5 34.57,11.82 34.97,12.22 34.97,14.44 34.86,14.55 ; USB1.1 37.17,6.9 35.33,8.74 34.11,8.74 33.37,9.48 33.37,11.42 33.77,11.82 34.26,11.82 ; 34.85,14.53 34.85,16.18 36.47,17.8 U5.4
VCC_1V8_OUT: length 137
  SIG1 w0.15: 53.78,76.91 53.78,79.49 TP12.1
  PWR w0.15: v1(82.27,18.24) 82.27,19.54 v1(82.79,20.06) 81.78,20.06 v1(79.58,22.26) ; v1(80.24,28.36) 80.16,28.28 v1(80.16,25.43) 79.41,24.68 79.41,22.43 v1(79.58,22.26) ; v1(79.58,22.26) 81.94,24.62 v1(84.11,24.62)
  PWR w0.25: v1(80.24,28.36) 80.7,28.82 80.7,33.73 v1(80.5,33.92) 78.06,33.92 v1(76.01,31.87)
  PWR w0.3: 53.82,77.08 53.82,76.94 51.18,74.3 51.18,60.79 v1(31.17,40.78) ; 26.52,40.39 26.79,40.66 v1(26.79,41.59) 30.38,41.59 31.17,40.8 31.17,40.8 31.58,40.8 40.51,31.87 76.03,31.87
  SIG3 w0.15: R18.1 76.49,31.87 v1(76.01,31.87) R19.1
  SIG3 w0.25: C54.1 80.6,33.92 v1(80.5,33.92) R114.1 79.73,33.71 U9.4
  vias: v1(26.5,40.36) v1(32.39,39.94) v1(53.81,77.08)
VCC_3V3: length 54.8
  SIG1 w0.15: 92.09,52.91 92.08,52.92 92.08,62.14 91.04,63.18 v1(89.28,63.18)
  PWR w0.15: v1(54.79,67.35) 58.96,63.18 v1(89.28,63.18)
  PWR w1: CN1.7 30.71,2.65 30.72,2.66
VCC_3V3_OUT: length 113.4
  SIG1 w0.15: 79.82,57.72 79.59,57.95 U11.A1 ; 53.31,76.86 v1(53.31,77.1) 53.31,77.85 TP7.1
  PWR w0.15: RJ2.12 66.98,15.56 59.81,15.56 RJ1.10 ; 83.93,27.11 80.24,23.42 v1(79.81,23.42) ; 83.93,27.11 84.51,26.54 84.51,22.99 83.19,21.67 83.19,18.45 RJ2.10 ; 83.93,27.11 v1(86.98,30.16)
  PWR w0.3: RJ1.12 48.45,15.64 57.86,15.64 RJ1.10 ; RJ2.10 78.35,15.63 68.94,15.63 RJ2.12 ; 31.14,38.87 29.89,38.87 28.38,40.38 27.25,39.25 26.29,39.25 26.01,39.53 26.01,41.49 37.4,52.87 37.4,60.66 v1(36.19,61.87)
  SIG3 w0.25: 87.43,32.58 C57.1 ; 87.43,32.58 87.44,32.57 R117.1 86.98,30.87 U10.1 ; 87.43,32.58 v1(86.66,32.58)
  SIG3 w0.3: R33.1 79.36,12.37 RJ2.10 ; RJ2.12 67.93,12.26 R30.1 ; R26.1 47.47,14.6 RJ1.12 ; R27.1 58.87,12.37 RJ1.10
  vias: v1(12.67,23.25) v1(28.4,40.38) v1(31.17,38.89) v1(79.79,57.72)
VCC_ENET_2V5: length 77.6
  SIG1 w0.25: C3.1 69.14,29.31 C8.1 ; v1(70.85,24.43) 70.44,24.84 C5.1 ; C31.1 81.39,28.97 C29.1 85.89,29.03 C28.1 85.9,27.62 v2(85.88,27.6) C27.1 85.84,27.58 C31.1 ; C31.1 81.39,27.33 78.99,24.93 v1(77.79,24.93)
  PWR w0.15: v1(70.85,24.43) 66.05,24.43 v1(60.03,18.41) 56.55,21.89 56.55,25.27 v1(58.36,27.08)
  PWR w0.25: v1(77.79,24.93) 77.93,24.93 78.54,24.32 78.54,24.08 76.07,21.61 v1(76.07,20.71) 76.07,19.81 75.57,19.31 73.45,19.31 73.07,19.69 v1(73.07,20.71) 73.07,21.12 71.75,22.44 71.75,24.02 71.34,24.43 v1(70.85,24.43) 71.35,24.43 74.07,27.15 v1(74.07,27.65)
  SIG3 w0.15: v1(60.03,18.41) 60.03,17.38 R15.1
  SIG3 w0.25: R116.1 87.51,25.31 C56.1 86.78,27.47 U10.5 86.91,27.6 v2(85.88,27.6)
VCC_LDO_SD1: length 22.3
  SIG1 w0.15: R85.1 80.99,61.6 ; J1.33 v1(72.84,47.8) ; 82.92,58.3 81.84,58.3 81.19,58.95 R91.1 ; 80.97,55 R88.1 82.91,58.05 82.91,58.29
  PWR w0.15: v1(80.95,55.01) 80.05,55.01 v1(72.84,47.8)
  PWR w0.3: 81,58.96 81.01,58.97 v1(81.01,61.63)
  vias: v1(81.01,58.96)
VCC_SCU_1V8: length 49.6
  SIG1 w0.15: R97.1 97.15,55.13 99.21,55.13 99.36,55.28
  PWR w0.15: v1(96.92,55.27) 96.92,61.12 81.39,76.65 62.73,76.65 v1(62.31,77.07)
VDD_ADC_1V8: length 2
  SIG1 w0.15: 57.32,68.91 57.3,68.93 J4.114
VDD_ETH_1V0: length 59
  PWR w0.15: 72.78,29.21 72.63,29.36 v1(70.54,29.36) 64.2,29.36 v1(58.22,23.38)
  PWR w0.25: v2(80.17,31.21) 79.91,31.47 76.66,31.47 74.57,29.38 74.57,28.23 ; 74.57,28.23 v1(74.57,27.65) 74.57,27.26 77.39,24.43 v1(77.79,24.43) 74.57,21.21 v1(74.57,20.71) ; 74.57,28.23 74.57,29.21 72.78,29.21 72.19,28.62 72.19,27.74 71.38,26.93 v1(70.85,26.93)
  SIG3 w0.15: U9.1 80.17,31.82 v2(80.17,31.21) ; v1(58.22,23.38) 58.22,22.25 R13.1
  SIG3 w0.3: 70.5,35.22 C14.1 70.52,29.38 v1(70.54,29.36) 70.51,29.33 C16.1 69.1,29.35 C9.1 70.5,35.22
/Debug USB - UART/DEBUG_USB_DN: length 26.2
  SIG1 w0.158: v1(35.28,11.25) 35.28,11.18 35.63,10.83 36.84,10.83 ; v1(26.5,21.46) 26.57,21.53 26.57,21.84 26.5,21.91 U4.7 ; 37.83,6.13 37.83,6.97 38.42,7.56 38.42,7.63 38.35,7.7 arc(38.38,7.77) 38.45,7.8 38.55,7.8 arc(38.62,7.83) 38.65,7.91 38.65,7.96 arc(38.62,8.03) 38.55,8.06 38.45,8.06 arc(38.38,8.09) 38.35,8.16 38.35,8.68 arc(38.32,8.76) 38.35,8.83 38.63,9.11 arc(38.66,9.18) 38.63,9.26 38.59,9.29 arc(38.52,9.32) 38.45,9.29 38.17,9.01 arc(38.09,8.98) 38.02,9.01 37.7,9.33 arc(37.63,9.36) 37.6,9.43 37.6,10.08 arc(37.57,10.15) 37.5,10.18 37.45,10.18 arc(37.37,10.15) 37.34,10.08 37.34,9.43 arc(37.31,9.36) 37.24,9.33 37.06,9.33 36.87,9.52 TV5.1
  SIG3 w0.158: v1(35.28,11.25) 35.35,11.32 35.35,12.07 28.32,19.1 28.14,19.1 26.57,20.68 26.57,21.39 v1(26.5,21.46)
/Debug USB - UART/DEBUG_USB_DP: length 25.4
  SIG1 w0.158: TV5.6 34.17,10.71 34.6,10.28 arc(34.69,10.07) 34.6,9.87 arc(34.52,9.66) 34.6,9.45 34.77,9.29 arc(34.97,9.2) 35.18,9.29 arc(35.39,9.37) 35.6,9.29 35.91,8.97 37.55,8.97 37.99,8.53 37.99,7.7 v1(37.92,7.63) ; v1(27,21.46) 26.93,21.53 26.93,21.84 27,21.91 U4.8
  SIG2 w0.158: v1(38.5,6.14) 38.5,6.97 37.92,7.55 v1(37.92,7.63) ; v1(34.25,10.86) 34.24,10.87 34.23,10.87 34.25,10.84 35.45,10.84 35.78,11.18 v1(35.78,11.25)
  SIG3 w0.158: v1(35.78,11.25) 35.71,11.32 35.71,12.22 28.47,19.46 28.29,19.46 26.93,20.82 26.93,21.39 v1(27,21.46)
/Debug USB - UART/DEBUG_USB_ID: length 4.6
  SIG1 w0.25: 38.19,10.38 39.12,9.44 USB1.4
/Debug USB - UART/FTDI_OSCI: length 10.5
  SIG1 w0.15: C47.2 23.99,18.24 23.99,22.98 ; Y2.3 22.27,15.08 21.57,15.78
/Debug USB - UART/FTDI_OSCO: length 3.9
  SIG1 w0.15: 27.37,12.48 27.12,12.72 R66.2 ; 25.3,12.91 25.72,12.48 C48.2
/Debug USB - UART/M40_UART0_RX: length 1.1
  SIG1 w0.25: 29.76,37.78 29.86,37.88 U8.4
/Debug USB - UART/M40_UART0_TX: length 1.5
  SIG1 w0.15: U7.4 28.39,38.19 28.8,37.78
ETH1_A_TX_N: length 21.1
  SIG3 w0.124: TV3.1 77.35,7.12 RJ2.2 78.04,10.49 78.04,10.63 arc(78.18,10.96) 78.5,11.09 arc(78.59,11.13) 78.63,11.22 78.63,11.72 arc(78.59,11.81) 78.5,11.85 77.56,11.85 arc(77.16,12.01) 77,12.41 77,12.61 arc(77.16,13.01) 77.56,13.18 77.81,13.18 arc(77.97,13.25) 78.04,13.41 78.04,13.61 arc(77.97,13.78) 77.81,13.85 77.56,13.85 arc(77.16,14.01) 77,14.41 77,14.61 arc(77.16,15.01) 77.56,15.18 77.81,15.18 arc(77.97,15.25) 78.04,15.41 78.04,16.19 arc(77.97,16.36) 77.8,16.43 77.43,16.43 arc(77.26,16.5) 77.19,16.67 77.19,16.79 arc(77.26,16.96) 77.43,17.03 77.8,17.03 arc(77.97,17.1) 78.04,17.27 78.04,19.24 77.16,20.12 76.94,20.12 76.77,20.3 76.77,20.51 U1.2
ETH1_A_TX_P: length 21.5
  SIG3 w0.124: TV3.3 78.59,4.23 79.05,4.69 79.05,7.34 RJ2.1 78.37,10.63 arc(78.41,10.72) 78.5,10.76 arc(78.82,10.9) 78.96,11.22 78.96,11.72 arc(78.82,12.04) 78.5,12.18 77.56,12.18 arc(77.39,12.25) 77.32,12.41 77.32,12.61 arc(77.39,12.78) 77.56,12.85 77.81,12.85 arc(78.2,13.01) 78.37,13.41 78.37,13.61 arc(78.2,14.01) 77.81,14.18 77.56,14.18 arc(77.39,14.25) 77.32,14.41 77.32,14.61 arc(77.39,14.78) 77.56,14.85 77.81,14.85 arc(78.2,15.01) 78.37,15.41 78.37,19.37 77.07,20.67 U1.1
ETH1_B_TX_N: length 20.6
  SIG1 w0.124: RJ2.6 73.75,10.27 73.75,10.66 arc(73.68,10.83) 73.51,10.9 73.04,10.9 arc(72.87,10.97) 72.8,11.14 72.8,11.26 arc(72.87,11.43) 73.04,11.5 73.51,11.5 arc(73.68,11.57) 73.75,11.74 73.75,11.86 arc(73.68,12.03) 73.51,12.1 73.04,12.1 arc(72.87,12.17) 72.8,12.34 72.8,12.46 arc(72.87,12.63) 73.04,12.7 73.51,12.7 arc(73.68,12.77) 73.75,12.94 73.75,14.68 arc(73.91,15.07) 74.31,15.24 arc(74.47,15.31) 74.54,15.47 74.54,15.68 arc(74.47,15.84) 74.31,15.91 arc(73.91,16.07) 73.75,16.47 73.75,19.34 74.96,20.55 74.96,20.56 75.07,20.67 v1(75.07,20.71)
  SIG3 w0.124: RJ2.6 73.27,7.73 74.42,6.58 75.19,6.58 TV3.6
ETH1_B_TX_P: length 19.7
  SIG1 w0.124: RJ2.3 75.47,8.88 74.93,8.88 74.39,9.42 74.39,9.96 74.07,10.27 74.07,14.68 arc(74.14,14.84) 74.31,14.91 arc(74.7,15.07) 74.87,15.47 74.87,15.68 arc(74.7,16.07) 74.31,16.24 arc(74.14,16.31) 74.07,16.47 74.07,19.2 75.19,20.32 75.23,20.32 75.46,20.55 75.46,20.6 v1(75.57,20.71)
  SIG3 w0.124: TV3.4 75.89,4.23 76.35,4.69 76.35,8 RJ2.3
ETH1_C_TXCLK_N: length 21.2
  SIG2 w0.124: v1(73.99,4.22) 73.6,4.61 73.6,7.33 RJ2.5
  SIG3 w0.124: U1.8 73.57,20.29 74.19,19.66 74.19,14.69 arc(74.12,14.52) 73.96,14.45 73.86,14.45 arc(73.46,14.29) 73.3,13.89 73.3,13.69 arc(73.46,13.29) 73.86,13.13 74.85,13.13 arc(75.02,13.06) 75.09,12.89 75.09,12.69 arc(75.02,12.52) 74.85,12.45 73.86,12.45 arc(73.46,12.29) 73.3,11.89 73.3,11.69 arc(73.46,11.29) 73.86,11.13 73.96,11.13 arc(74.12,11.06) 74.19,10.89 74.19,9.66 74.29,9.57 RJ2.5
ETH1_C_TXCLK_P: length 21.2
  SIG2 w0.124: v1(73.99,6.12) 75.31,7.44 RJ2.4
  SIG3 w0.124: RJ2.4 74.52,9.8 74.52,9.8 74.52,10.89 arc(74.35,11.29) 73.96,11.45 73.86,11.45 arc(73.69,11.52) 73.62,11.69 73.62,11.89 arc(73.69,12.06) 73.86,12.13 74.85,12.13 arc(75.25,12.29) 75.42,12.69 75.42,12.89 arc(75.25,13.29) 74.85,13.45 73.86,13.45 arc(73.69,13.52) 73.62,13.69 73.62,13.89 arc(73.69,14.06) 73.86,14.13 73.96,14.13 arc(74.35,14.29) 74.52,14.69 74.52,15.79 arc(74.59,15.96) 74.76,16.03 75.04,16.03 arc(75.21,16.1) 75.28,16.27 75.28,16.39 arc(75.21,16.56) 75.04,16.63 74.76,16.63 arc(74.59,16.7) 74.52,16.87 74.52,19.84 74.07,20.29 U1.7
ETH1_D_RXDV_N: length 23.3
  SIG3 w0.124: TV4.4 71.04,4.22 70.58,4.68 70.58,9.15 RJ2.8 72.02,9.8 72.02,9.8 72.02,11.21 arc(72.13,11.49) 72.41,11.6 arc(72.45,11.62) 72.47,11.66 72.47,12.34 arc(72.45,12.39) 72.41,12.41 71.69,12.41 arc(71.29,12.57) 71.13,12.97 71.13,13.17 arc(71.29,13.57) 71.69,13.73 71.78,13.73 arc(71.95,13.8) 72.02,13.97 72.02,14.78 arc(71.95,14.95) 71.78,15.02 71.49,15.02 arc(71.32,15.09) 71.25,15.26 71.25,15.38 arc(71.32,15.55) 71.49,15.62 71.78,15.62 arc(71.95,15.69) 72.02,15.86 72.02,15.98 arc(71.95,16.15) 71.78,16.22 71.49,16.22 arc(71.32,16.29) 71.25,16.46 71.25,16.58 arc(71.32,16.75) 71.49,16.82 71.78,16.82 arc(71.95,16.89) 72.02,17.06 72.02,17.18 arc(71.95,17.35) 71.78,17.42 71.49,17.42 arc(71.32,17.49) 71.25,17.66 71.25,17.78 arc(71.32,17.95) 71.49,18.02 71.78,18.02 arc(71.95,18.09) 72.02,18.26 72.02,20.24 72.07,20.29 U1.11
